# Altium PCB PCB_V1.PcbDoc (part 1 of 2)
Units mil, origin at the board's own origin, x right, y up, seen from the top; angles counter-clockwise.
Board outline 3937.01 x 3937.01 mil, 2 copper layers (Top Layer, Bottom Layer); 119 components, 91 nets, 341 pads, 89 vias.
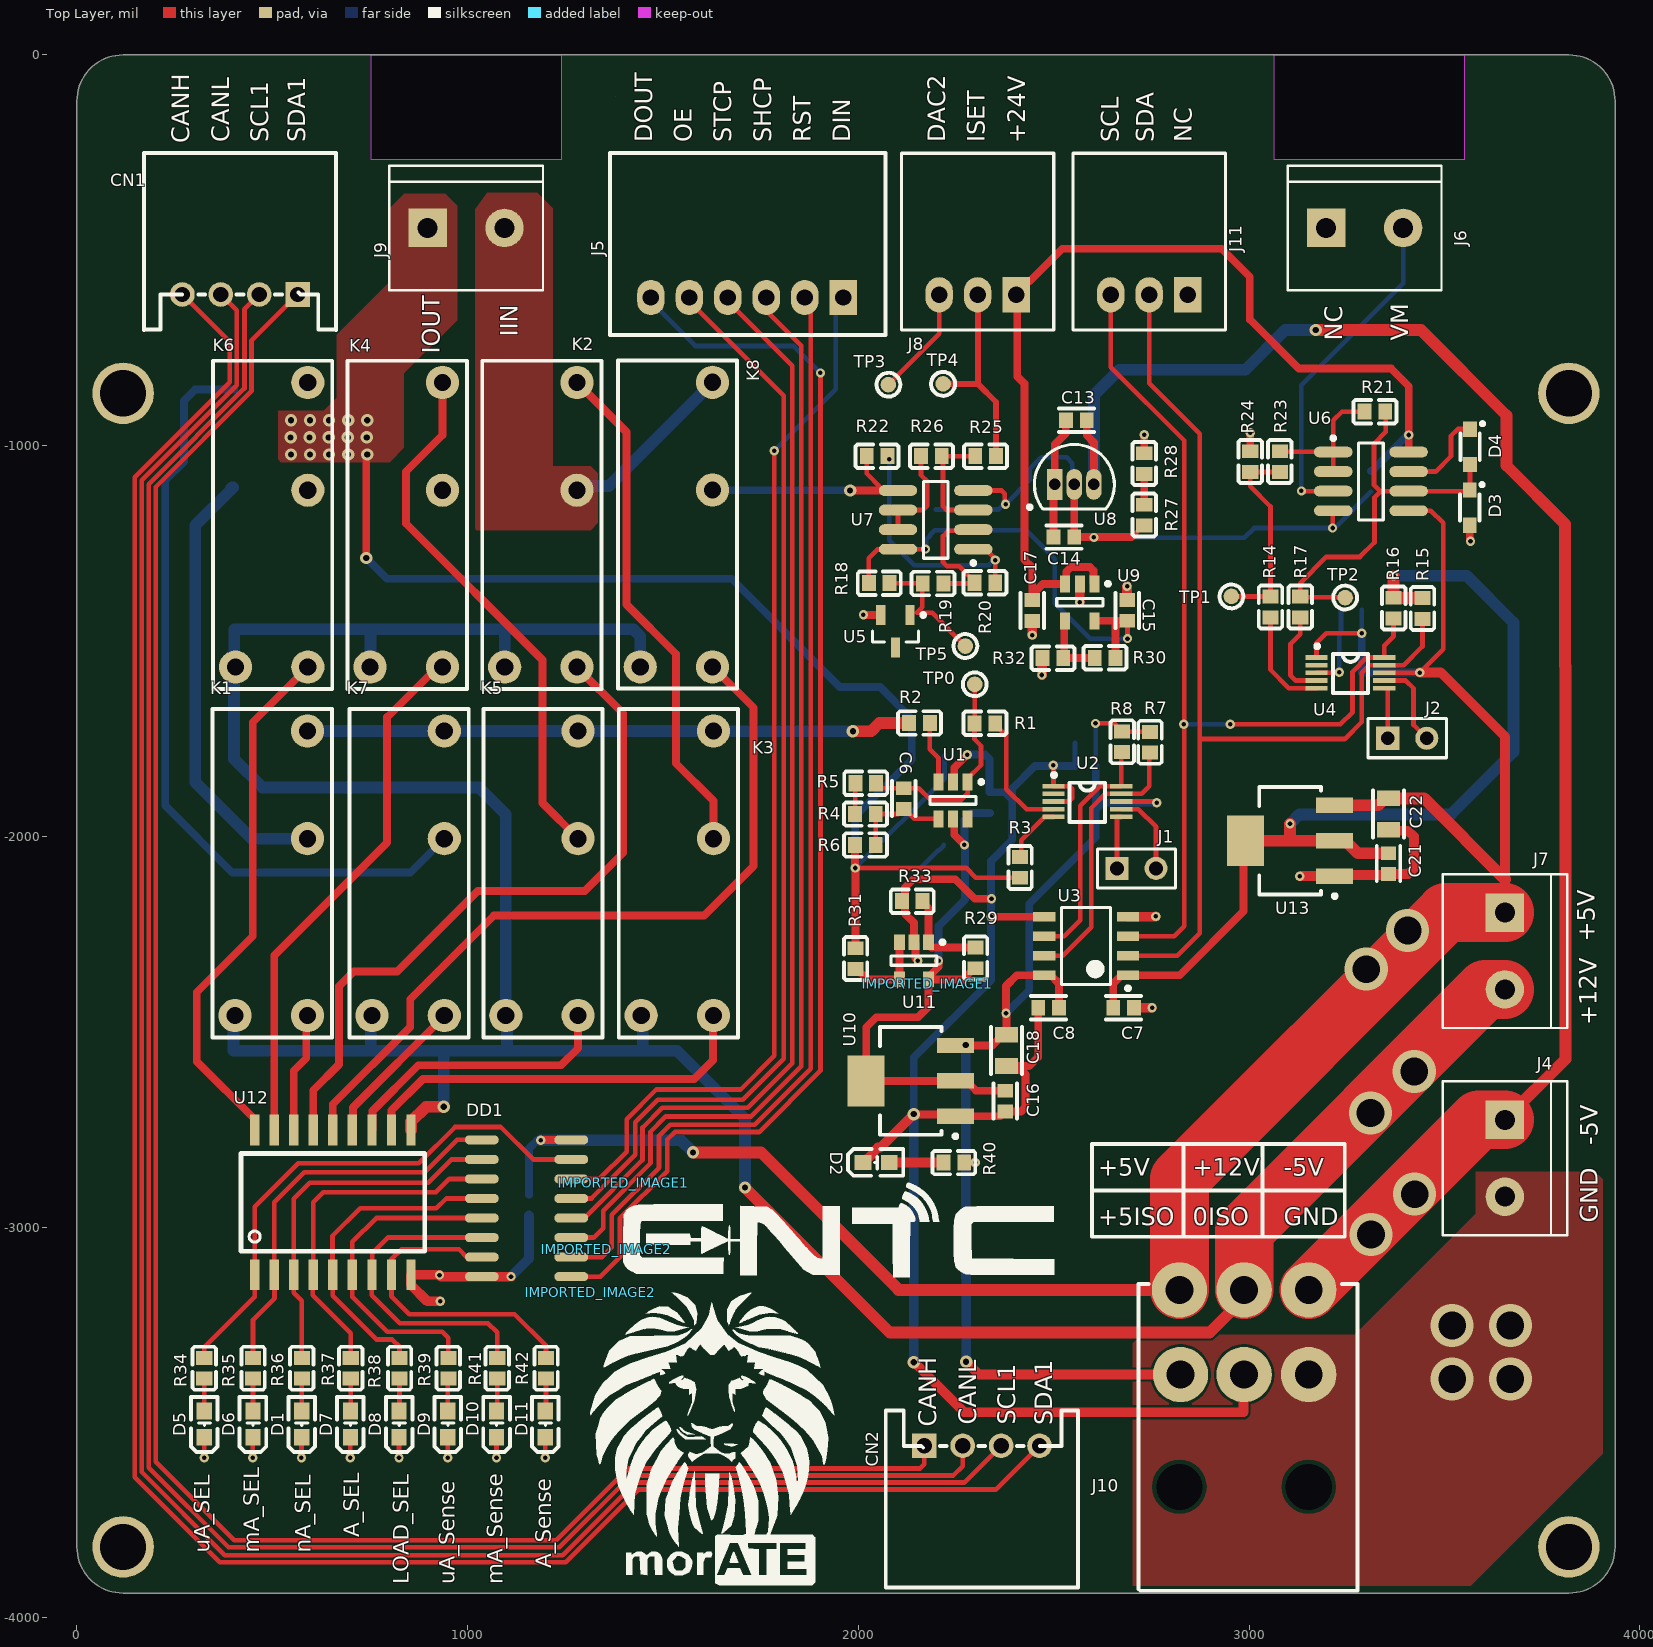
[diagram p0: Top Layer view]
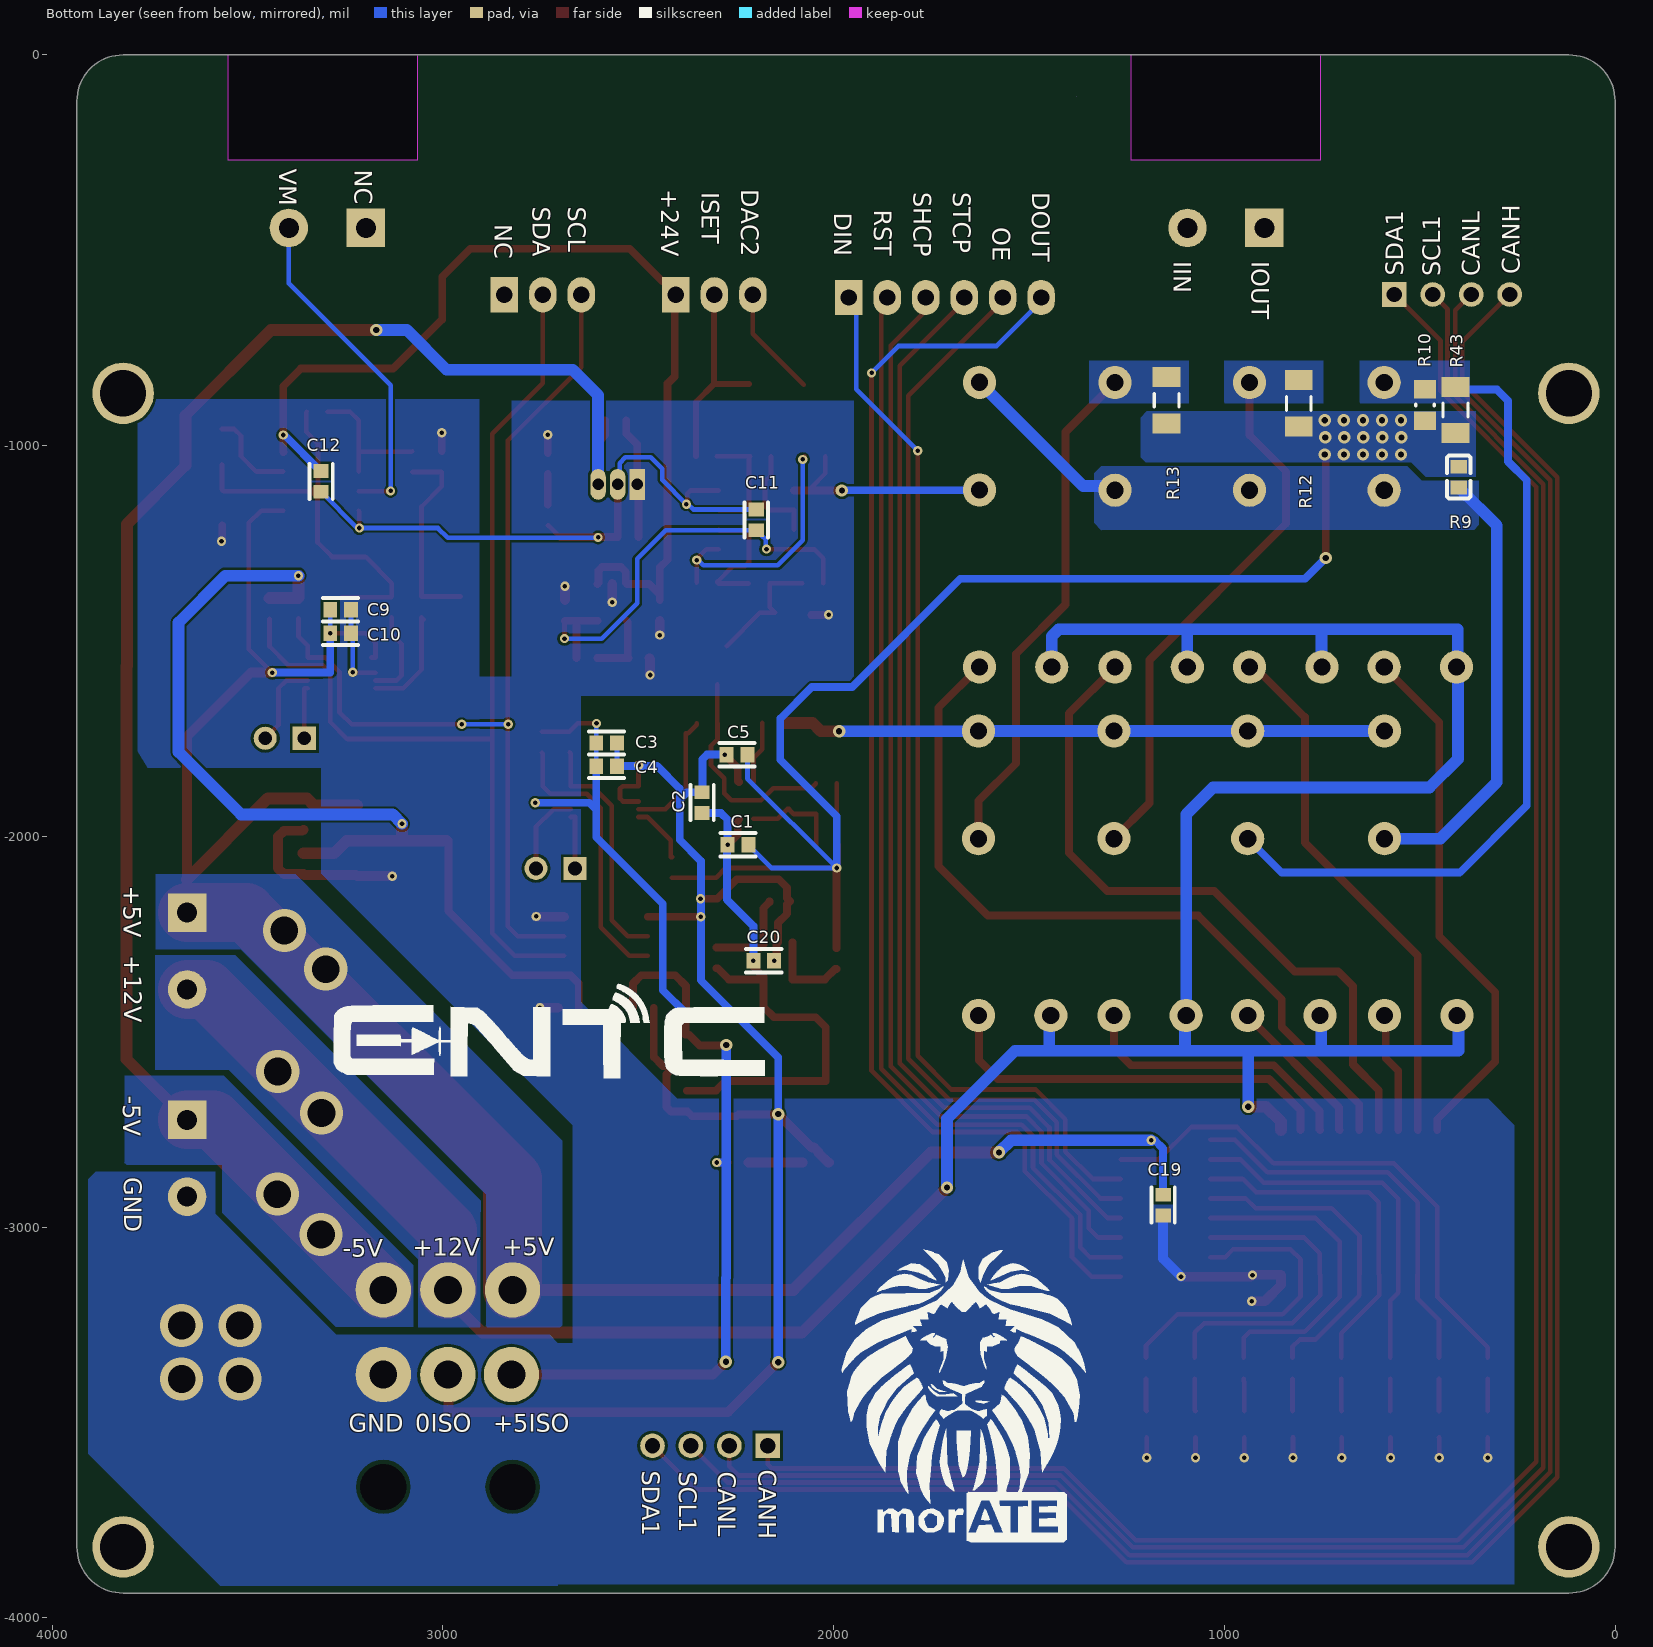
[diagram p1: Bottom Layer view, seen from below]

## Layer stack, top to bottom
Top Solder: solder mask 0.4, Solder Resist, Dk 3.5
Top Layer: signal copper 1.4
Dielectric 1: dielectric 12.6, FR-4, Dk 4.8
Bottom Layer: signal copper 1.4
Bottom Solder: solder mask 0.4, Solder Resist, Dk 3.5

## Board outline
0,-3818.9 0,-118.11 cw(c118.11,-118.11) 118.11,0 3818.9,0 cw(c3818.9,-118.11) 3937.01,-118.11 3937.01,-3818.9 cw(c3818.9,-3818.9) 3818.9,-3937.01 118.11,-3937.01 cw(c118.11,-3818.9)
cut-out: 3065,0 3551,0 3551,-269 3065,-269
cut-out: 1377.95,-106.3
cut-out: 754,0 1240,0 1240,-269 754,-269

## Design rules (kind name [scope] priority, off if disabled: settings)
BoardOutlineClearance [All] p1: gap=7.87 ignorepadtopadclearanceinfootprint=FALSE
Clearance [All] p1: gap=6 ignorepadtopadclearanceinfootprint=FALSE except(5: Arc-Text Track-Text SMDPad-Text THPad-Text Via-Text Fill-Text Poly-Text Region-Text Text-Text; 7: Arc-THPad Track-THPad SMDPad-THPad THPad-THPad THPad-Via THPad-Fill THPad-Poly THPad-Region; 9.84: Arc-Hole Track-Hole SMDPad-Hole Via-Hole Fill-Hole Poly-Hole Region-Hole Text-Hole; 10: Fill-Fill Fill-Poly Fill-Region Poly-Poly Poly-Region Region-Region; 12.99: THPad-Hole)
ComponentClearance [All] p1: gap=0 collisioncheckmode=3 verticalgap=5 showdistances=TRUE
DiffPairsRouting [All] p1: maxlimit=10 minlimit=5 mostfreqgap=5 toplayer_minwidth=5 toplayer_maxwidth=1000 toplayer_prefwidth=5 bottomlayer_minwidth=5 bottomlayer_maxwidth=1000 bottomlayer_prefwidth=5 maxuncoupledlength=500
Height [All] p1: minheight=0 maxheight=71497.94 prefheight=500
HoleSize [All] p1: absolutevalues=TRUE maxlimit=248.03 minlimit=11.81 maxpercent=80.000 minpercent=20.000
HoleToHoleClearance [All] p1: gap=9.84 allowstackedmicrovias=FALSE
MinimumAnnularRing [All] p1: minimumring=5.12
MinimumSolderMaskSliver [All] p1: minsoldermaskwidth=0
PlaneClearance [All] p1: clearance=5
PlaneConnect PlaneConnectPowerPads [InPadClass('PowerPads')] p1: planeconnectstyle=Direct reliefexpansion=20 reliefentries=4 reliefconductorwidth=10 reliefairgap=10
PlaneConnect [All] p2: pad.planeconnectstyle=Relief pad.reliefexpansion=11.81 pad.reliefentries=4 pad.reliefconductorwidth=5 pad.reliefairgap=5 via.planeconnectstyle=Direct via.reliefexpansion=11.81 via.reliefentries=4 via.reliefconductorwidth=5 via.reliefairgap=5
PolygonConnect PolygonConnectPowerPads [All vs (InPadClass('PowerPads'))] p1: connectstyle=Direct reliefconductorwidth=10 reliefentries=4 polygonreliefangle="90 Angle" airgapwidth=10
PolygonConnect [All] p2: connectstyle=Direct reliefconductorwidth=5 reliefentries=4 polygonreliefangle="90 Angle" airgapwidth=5
RoutingVias [All] p1: holewidth=11.81 width=23.62 viastyle="Through Hole" minholewidth=11.81 minwidth=23.62 maxholewidth=23.62 maxwidth=259.84
SilkToSilkClearance [All] p1: silktosilkclearance=0
SilkToSolderMaskClearance [IsPad] p1: minsilkscreentomaskgap=5 clearancetoexposedcopper=TRUE
SolderMaskExpansion [All] p1: expansion=2.95
Width [All] p1: maxlimit=1000 minlimit=5 preferedwidth=10 minimp=50.000000 maximp=50.000000 favimp=50.000000
20 further rules are at their usual default settings.

## Classes and differential pairs
component class Current_sence-load-volt_meter: C1 C2 C3 C4 C5 C6 C7 C8 C9 C10 C11 C12 C13 C14 C15 C16 C17 C18 C19 C20 C21 C22 CN1 CN2 D1 D2 D3 D4 D5 D6 D7 D8 D9 D10 D11 DD1 J1 J2 J4 J5 J6 J7 J8 J9 J10 J11 K1 K2 K3 K4 K5 K6 K7 K8 R1 R2 R3 R4 R5 R6 R7 R8 R9 R10 R12 R13 R14 R15 R16 R17 R18 R19 R20 R21 R22 R23 R24 R25 R26 R27 R28 R29 R30 R31 R32 R33 R34 R35 R36 R37 R38 R39 R40 R41 R42 U1 U2 U3 U4 U5 U6 U7 U8 U9 U10 U11 U12 U13

## Components (designator, comment, footprint, x,y, rotation, side; value= is the part's Value field where it differs from the comment)
C1 "100nF" CAPC1608X09N 2245,-2022 r180 bottom
C2 "100nF" CAPC1608X09N 2337,-1914 r270 bottom
C3 "4.7uF" CAPC1608X09N 2581,-1761.25 r180 bottom
C4 "100nF" CAPC1608X09N 2581,-1820.25 r180 bottom
C5 "100nF" CAPC1608X09N 2247.43,-1791 r180 bottom
C6 "20pF" CAPC1608X09N 2116.43,-1903.63 r270 top
C7 "100nF" CAPC1608X09N 2679,-2439 r180 top
C8 "100nF" CAPC1608X09N 2487,-2439 r0 top
C9 "4.7uF" CAPC1608X09N 3262,-1420 r180 bottom
C10 "100nF" CAPC1608X09N 3262,-1480 r180 bottom
C11 "100nF" CAPC1608X09N 2198,-1190 r270 bottom
C12 "100nF" CAPC1608X09N 3312.12,-1091.47 r90 bottom
C13 "1uF" CAPC1608X09N 2558,-935 r0 top
C14 "4.7uF" CAPC1608X09N 2526,-1234 r0 top
C15 "4.7uF" CAPC1608X09N 2688,-1421.84 r270 top
C16 "22uF" CAPC1608X09N 2376.32,-2678 r90 top
C17 "1uF" CAPC1608X09N 2445,-1422 r90 top
C18 "10uF" C0805 2379.32,-2548 r90 top
C19 "100nF" CAPC1608X09N 1157,-2944 r90 bottom
C20 "100nF" CAPC1608X09N 2179.02,-2318.24 r180 bottom
C21 "22uF" CAPC1608X09N 3357,-2070 r90 top
C22 "10uF" C0805 3357,-1943 r90 top
CN1 "S4B-XH-A (LF)(SN)" "CONN-TH_S4B-XH-A (LF)(SN)" 417.63,-613.2 r0 top
CN2 "S4B-XH-A (LF)(SN)" "CONN-TH_S4B-XH-A (LF)(SN)" 2316.22,-3560 r180 top
D1 "Green LED 0603" 0603LED_GEN 575.3,-3538 r90 top
D2 "Red LED 0603" 0603LED_GEN 2012,-2834.75 r0 top
D3 "CUS08F30,H3F" PCB-7qpkjsjx5cjbarp1o0hc-1 3565,-1159 r270 top
D4 "CUS08F30,H3F" PCB-7qpkjsjx5cjbarp1o0hc-1 3566,-1003 r270 top
D5 "Green LED 0603" 0603LED_GEN 325.9,-3538 r90 top
D6 "Green LED 0603" 0603LED_GEN 450.6,-3538 r90 top
D7 "Green LED 0603" 0603LED_GEN 700,-3538 r90 top
D8 "Green LED 0603" 0603LED_GEN 824.7,-3538 r90 top
D9 "Green LED 0603" 0603LED_GEN 949.4,-3538 r90 top
D10 "Green LED 0603" 0603LED_GEN 1074.1,-3538 r90 top
D11 "Green LED 0603" 0603LED_GEN 1198.8,-3538 r90 top
DD1 "SN74HC595D" PCB-72k1vk0k27b6qyyenbg0-1 1151,-2952 r0 top
IMPORTED_IMAGE1 "Comment" IMPORTED_IMAGE 2176,-2378 r0 top
IMPORTED_IMAGE1 "Comment" IMPORTED_IMAGE 1398,-2887 r0 top
IMPORTED_IMAGE2 "Comment" IMPORTED_IMAGE 1354.99,-3057.28 r0 top (schematic designator IMPORTED_IMAGE)
IMPORTED_IMAGE2 "Comment" IMPORTED_IMAGE 1313.32,-3166.71 r0 top (schematic designator IMPORTED_IMAGE)
J1 "header 2x1" PCB-55llon6gpk2h6a06nz0l-1 2662,-2082 r0 top
J2 "header 2x1" PCB-55llon6gpk2h6a06nz0l-1 3355,-1749 r0 top
J4 "DB126V-5.0-2P-GN" PCB-kiok1jlp9o9fcwf1wwvf-1 3655,-2824 r90 top locked
J5 "JST S6B-XH-A" "JST S6B-XH-A" 2294.15,-694 r0 top
J6 "DB126V-5.0-2P-GN" PCB-kiok1jlp9o9fcwf1wwvf-1 3296,-443 r180 top
J7 "DB126V-5.0-2P-GN" PCB-kiok1jlp9o9fcwf1wwvf-1 3655,-2293.57 r90 top locked
J8 "CN-1P-M-R3" JST-S3B-XH-A(LF)(SN)_V 2305.43,-614 r0 top
J9 "DB126V-5.0-2P-GN" PCB-kiok1jlp9o9fcwf1wwvf-1 996,-443 r180 top locked
J10 "ATX Connector-2x3" 30300060 2982.35,-3381.06 r180 top locked
J11 "CN-1P-M-R3" JST-S3B-XH-A(LF)(SN)_V 2744.43,-614 r0 top
K1 "3A Relay" PCB-ei6nokn2irsc2a7yt94x-1 497.45,-2094.64 r90 top locked
K2 "5A Relay" PCB-ei6nokn2irsc2a7yt94x-1 1187.47,-1202.8 r90 top
K3 "3A Relay" PCB-ei6nokn2irsc2a7yt94x-1 1536.82,-2094.64 r90 top locked
K4 "3A Relay" PCB-ei6nokn2irsc2a7yt94x-1 842.98,-1202.8 r90 top
K5 "3A Relay" PCB-ei6nokn2irsc2a7yt94x-1 1190.36,-2094.64 r90 top locked
K6 "3A Relay" PCB-ei6nokn2irsc2a7yt94x-1 498.49,-1202.8 r90 top locked
K7 "3A Relay" PCB-ei6nokn2irsc2a7yt94x-1 847.84,-2094.64 r90 top locked
K8 "3A Relay" PCB-ei6nokn2irsc2a7yt94x-1 1534.48,-1202.17 r90 top locked
R1 "100" gen0603-2 2324,-1711 r180 top
R2 "100" gen0603-2 2156.57,-1710 r180 top
R3 "100" gen0603-2 2414,-2079.43 r270 top
R4 "24k" gen0603-2 2018,-1943 r0 top
R5 "75k" gen0603-2 2018.98,-1864.26 r180 top
R6 "1k" gen0603-2 2018,-2022.25 r0 top
R7 "4.7k" gen0603-2 2746.56,-1759.32 r270 top
R8 "4.7k" gen0603-2 2675.3,-1758 r270 top
R9 "10k" gen0603-2 400.06,-1080.75 r270 bottom
R10 "20" PCB-p5gaxfzqzpvl2g018b4o-1 486.62,-896.14 r90 bottom
R12 "0.01" RESC3116X07M 809.51,-891.77 r90 bottom
R13 "0.001" RESC3116X07M 1148.1,-883.9 r90 bottom
R14 "100" gen0603-2 3055,-1413 r90 top
R15 "4.7k" gen0603-2 3444,-1417 r270 top
R16 "4.7k" gen0603-2 3370,-1416 r270 top
R17 "100" gen0603-2 3131,-1413 r90 top
R18 "10k" gen0603-2 2053.57,-1352 r180 top
R19 "51k" gen0603-2 2191.57,-1353 r0 top
R20 "51k" gen0603-2 2324,-1351 r0 top
R21 "4.7k" gen0603-2 3322,-913 r180 top
R22 "1k" gen0603-2 2048,-1027 r0 top
R23 "39.2k" gen0603-2 3079,-1041 r90 top
R24 "10k" gen0603-2 3003,-1041 r270 top
R25 "51k" gen0603-2 2326,-1027 r180 top
R26 "51k" gen0603-2 2187,-1027 r180 top
R27 "100" gen0603-2 2732,-1178 r90 top
R28 "100" gen0603-2 2732,-1046 r90 top
R29 "42k" gen0603-2 2300,-2311 r270 top
R30 "42k" gen0603-2 2631.57,-1543.37 r0 top
R31 "100" gen0603-2 1993,-2313 r270 top
R32 "10k" gen0603-2 2498,-1544 r180 top
R33 "42k" gen0603-2 2138,-2166 r0 top
R34 "4.7k" gen0603-2 325.9,-3361.5 r270 top
R35 "4.7k" gen0603-2 450.89,-3361.5 r270 top
R36 "4.7k" gen0603-2 575.87,-3361.5 r270 top
R37 "4.7k" gen0603-2 700.86,-3361.5 r270 top
R38 "4.7k" gen0603-2 825.84,-3361.5 r270 top
R39 "4.7k" gen0603-2 950.83,-3361.5 r270 top
R40 "4.7k" gen0603-2 2244.43,-2835 r0 top
R41 "4.7k" gen0603-2 1075.81,-3361.5 r270 top
R42 "4.7k" gen0603-2 1200.8,-3361.5 r270 top
R43 "0.01" RESC3116X07M 408.51,-908.77 r90 bottom (schematic designator R12)
TP0 "Comment" PCB-76sf9akqozhr8i1vmz2c-1 2298,-1611 r0 top
TP1 "Comment" PCB-76sf9akqozhr8i1vmz2c-1 2955,-1386 r0 top
TP2 "Comment" PCB-76sf9akqozhr8i1vmz2c-1 3246,-1389 r0 top
TP3 "Comment" PCB-76sf9akqozhr8i1vmz2c-1 2077,-844 r0 top
TP4 "Comment" PCB-76sf9akqozhr8i1vmz2c-1 2217,-842 r0 top
TP5 "Comment" PCB-76sf9akqozhr8i1vmz2c-1 2274,-1513 r0 top
U1 "MAX4239AUT+T" MF06A_N 2242.57,-1908.09 r270 top
U2 "TI-ADS1015_1115-10" PCB-GQBSLBS1R8RXLDSN6T09-1 2586,-1913 r0 top
U3 "ISO154x" SOIC127P600X265-8N 2583,-2280.68 r180 top
U4 "TI-ADS1015_1115-10" PCB-GQBSLBS1R8RXLDSN6T09-1 3259.57,-1583.59 r0 top
U5 "LM4040-2.5" MF03A_N 2095,-1475 r270 top
U6 "TLV2172IDR" SOIC-OA8_M 3312.12,-1091.47 r0 top
U7 "LM358DT" SOIC-OA8_M 2198,-1190 r180 top
U8 "LM337L" Z03A 2553,-1099.31 r270 top
U9 "Diodes Inc. AP2204K-5.0TRG1" PCB-iw3p7s72x6qbi5zew47f-1 2567,-1401.16 r270 top
U10 "Diodes AZ1117CH-3.3TRG1" PCB-15095235-1 2134.32,-2626 r180 top
U11 "LMV321SN3T1G" ONSC-TSOP-5-483-02_V 2142.6,-2318.24 r270 top
U12 "ULN2803A (SOIC-18)" PCB-gcdku7p92m9mz9ih2yin-1 630,-2937 r90 top
U13 "Diodes AZ1117CH-3.3TRG1" PCB-15095235-1 3105,-2011.31 r180 top

## Footprints (in the part's own frame and the unit in brackets; to place one, negate y for a bottom-side part, rotate by r counter-clockwise, add the part's x,y. Pads: shape width x height; smd on the part's side, far side on the other; paste and mask are expansions set on the pad)
0603LED_GEN [mil] "genaric LED 0603"
  rect 43x39 smd: 1(67,0) 2(0,0)
  silkscreen extent -38,-34 103,34, body extent 6,-16 68,16, height 43
30300060 [mm] "Connector Header Through Hole, Right Angle 6 position 0.165\" (4.20mm)"
  round 3.6 hole 1.8: 1(4.004,-0.088) 2(-0.127,-0.088) 3(-4.327,-0.088) 4(-4.327,-5.588) 5(-0.127,-5.588) 6(4.073,-5.588)
  round 1.524 hole 3: Hole(-4.327,7.212) Hole(4.073,7.212)
  silkscreen extent -7.49,-5.97 6.73,13.97, body extent -7.43,-6.04 6.77,13.9, height 11.4
C0805 [mil]
  rect 40x58 smd: 1(-40,0) 2(40,0)
  silkscreen extent -60,-40 60,40, body extent -41,-27 41,27, height 53
CAPC1608X09N [mm]
  rect 0.9x1 smd: 1(-0.675,0) 2(0.675,0)
  silkscreen extent -1.14,-0.76 1.14,0.76, body extent -0.8,-0.4 0.8,0.4, height 0.45
"CONN-TH_S4B-XH-A (LF)(SN)" [mm]
  rect 1.6x1.6 hole 1: 1(3.75,0)
  round 1.6 hole 1: 2(1.25,0) 3(-1.25,0) 4(-3.75,0)
  silkscreen extent -6.25,-2.3 6.25,9.2, body extent -6.22,-2.32 6.18,9.18, height 6.1
gen0603-2 [mm]
  rect 0.9x1.05 smd: 1(-0.675,0) 2(0.675,0)
  silkscreen extent -1.4,-0.76 1.4,0.76, body extent -0.85,-0.4 0.85,0.4, height 0.59
IMPORTED_IMAGE [mil]
"JST S6B-XH-A" [mil]
  rect 70x90 hole 42: 1(-332.87,73)
  oval 70x90 hole 42: 2(-431.3,73) 3(-529.72,73) 4(-628.15,73) 5(-726.57,73) 6(-825,73)
  silkscreen extent -930,-23 -225,443, body extent -920,-17 -235,436, height 242
JST-S3B-XH-A(LF)(SN)_V [mil]
  rect 70x90 hole 42: 1(98.43,0)
  oval 70x90 hole 42: 2(0,0) 3(-98.43,0)
  silkscreen extent -195,-91 195,362, body extent -195,-91 195,362, height 242
MF03A_N [mm]
  rect 1.3x0.6 smd: 1(-1.05,0.95) 2(-1.05,-0.95) 3(1.05,0)
  silkscreen extent -1.17,-1.5 0.7,1.93, body extent -0.7,-1.52 0.7,1.52, height 1.12
MF06A_N [mm]
  rect 1.1x0.65 smd: 1(-1.2,0.95) 2(-1.2,0) 3(-1.2,-0.95) 4(1.2,-0.95) 5(1.2,0) 6(1.2,0.95)
  silkscreen extent -1.32,-1.5 0.25,1.95, body extent -0.83,-1.49 0.83,1.5, height 1.22
ONSC-TSOP-5-483-02_V [mm]
  rect 1x0.7 smd: 1(-1.2,0.95) 2(-1.2,0) 3(-1.2,-0.95) 4(1.2,-0.95) 5(1.2,0.95)
  silkscreen extent -1.32,-1.5 0.3,1.98, body extent -0.75,-1.5 0.75,1.5, height 1.1
PCB-7qpkjsjx5cjbarp1o0hc-1 [mm]
  rect 1x0.9 smd: 1(-1.15,0) 2(1.15,0)
  silkscreen extent -1.6,-0.63 0.85,0.9, body extent -1.3,-0.67 1.3,0.68, height 1.1
PCB-55llon6gpk2h6a06nz0l-1 [mm]
  rect 1.5x1.5 hole 0.9: 1(0,0)
  round 1.5 hole 0.9: 2(2.54,0)
  silkscreen extent -1.27,-1.27 3.81,1.27, body extent -1.27,-1.25 3.81,1.25, height 9.25
PCB-72k1vk0k27b6qyyenbg0-1 [mm]
  oval 2.2x0.6 smd: 1(-2.908,4.445) 2(-2.908,3.175) 3(-2.908,1.905) 4(-2.908,0.635) 5(-2.908,-0.635) 6(-2.908,-1.905) 7(-2.908,-3.175) 8(-2.908,-4.445) 9(2.908,-4.445) 10(2.908,-3.175) 11(2.908,-1.905) 12(2.908,-0.635) 13(2.908,0.635) 14(2.908,1.905) 15(2.908,3.175) 16(2.908,4.445)
  body extent -3,-4.95 3,4.95, height 1.4
PCB-76sf9akqozhr8i1vmz2c-1 [mil]
  round 40 smd: 1(0,0)
  silkscreen extent -30,-30 30,30
PCB-15095235-1 [mm]
  rect 2.4x1 smd: 1(-2.9,2.3) 2(-2.9,0) 3(-2.9,-2.3)
  rect 2.4x3.3 smd: 4(2.9,0)
  silkscreen extent -3.03,-3.5 2,3.72, body extent -1.86,-3.35 1.86,3.35, height 1.8
PCB-ei6nokn2irsc2a7yt94x-1 [mil]
  round 85 hole 44: 1(-364.17,-92.52) 2(88.58,-92.52) 3(364.17,-92.52) 4(-364.17,92.52)
  silkscreen extent -420,-155 420,150, body extent -409,-143 399,140, height 602
PCB-gcdku7p92m9mz9ih2yin-1 [mm]
  rect 2x0.6 smd: 1(-4.7,4.445) 2(-4.7,3.175) 3(-4.7,1.905) 4(-4.7,0.635) 5(-4.7,-0.635) 6(-4.7,-1.905) 7(-4.7,-3.175) 8(-4.7,-4.445) 9(-4.7,-5.715) 10(4.7,-5.715) 11(4.7,-4.445) 12(4.7,-3.175) 13(4.7,-1.905) 14(4.7,-0.635) 15(4.7,0.635) 16(4.7,1.905) 17(4.7,3.175) 18(4.7,4.445)
  round 0.508 on Top Overlay: M1(-4.7,5.715)
  silkscreen extent -3.18,-6.6 3.18,5.33, body extent -5.28,-6.52 5.32,5.23, height 2.6
PCB-GQBSLBS1R8RXLDSN6T09-1 [mm]
  rect 1.45x0.3 smd: 1(-2.2,1.05) 2(-2.2,0.55) 3(-2.2,0.05) 4(-2.2,-0.45) 5(-2.2,-0.95) 6(2.2,-0.95) 7(2.2,-0.45) 8(2.2,0.05) 9(2.2,0.55) 10(2.2,1.05)
  silkscreen extent -2.29,-1.27 1.14,1.9, body extent -2.53,-1.5 2.53,1.5, height 1.23
PCB-iw3p7s72x6qbi5zew47f-1 [mm]
  rect 1.1x0.65 smd: 1(-1.2,0.95) 2(-1.2,0) 3(-1.2,-0.95) 4(1.2,-0.95) 5(1.2,0.95)
  silkscreen extent -1.32,-1.5 0.25,1.95, body extent -0.87,-1.5 0.88,1.5, height 1.45
PCB-kiok1jlp9o9fcwf1wwvf-1 [mm]
  round 2.5 hole 1.3: 1(-2.5,0)
  rect 2.5x2.5 hole 1.3: 2(2.5,0)
  silkscreen extent -5,-4.05 5,4.05, body extent -5.57,-4.08 5,4.07, height 10
PCB-p5gaxfzqzpvl2g018b4o-1 [mm]
  rect 1.2x1.4 smd: 1(-1.025,0) 2(1.025,0)
  silkscreen extent -0.05,-0.6 0.05,0.6, body extent -1.15,-0.67 1.15,0.68, height 0.76
RESC3116X07M [mm]
  rect 1.3x1.8 smd: 1(-1.5,0) 2(1.5,0)
  silkscreen extent -0.45,-0.8 0.45,0.8, body extent -1.55,-0.8 1.55,0.8, height 0.52
SOIC127P600X265-8N [mm]
  rect 1.45x0.6 smd: 1(-2.725,1.905) 2(-2.725,0.635) 3(-2.725,-0.635) 4(-2.725,-1.905) 5(2.725,-1.905) 6(2.725,-0.635) 7(2.725,0.635) 8(2.725,1.905)
  silkscreen extent -2.85,-2.5 1.6,2.88, body extent -2,-2.5 2,2.5, height 2.65
SOIC-OA8_M [mm]
  oval 2.5x0.7 smd: 1(-2.45,1.905) 2(-2.45,0.635) 3(-2.45,-0.635) 4(-2.45,-1.905) 5(2.45,-1.905) 6(2.45,-0.635) 7(2.45,0.635) 8(2.45,1.905)
  silkscreen extent -2.57,-2.5 0.8,2.93, body extent -3,-2.45 3,2.45, height 1.75
Z03A [mm]
  rect 2x1 hole 0.75: 1(0,-1.27)
  oval 2x1 hole 0.75: 2(0,0) 3(0,1.27)
  silkscreen extent -2.6,-3.02 1.6,2.6, body extent -2.6,-2.61 1.6,2.61, height 5.2

## Part data
C1 C2 C4 C5 C7 C8 C10 C11 C12 C19 C20: library part CMP-2f55e5122ad9f092-5, "0603 10 nF 50 V ± 10% Tolerance X7R Surface Mount Multilayer Ceramic Capacitor", Capacitance Tolerance=10%, Manufacture Part Number=CC0603KRX7R9BB104, Manufacturer=YAGEO, Package / Case=0603, Supplier Part Number=C14663, Voltage-Rated=50V, Capacitance=100nF, Supplier=LCSC
C3 C9 C14 C15: library part CMP-2f55e5122ad9f092-5, "0603 10 nF 50 V ± 10% Tolerance X7R Surface Mount Multilayer Ceramic Capacitor", Capacitance Tolerance=10%, Manufacture Part Number=CL10A475KP8NNNC, Manufacturer="Samsung Electro-Mechanics", Package / Case=0603, Supplier Part Number=C1705, Voltage-Rated=10V, Capacitance=4.7uF, Supplier=LCSC
C6: library part CMP-2f55e5122ad9f092-5, "0603 10 nF 50 V ± 10% Tolerance X7R Surface Mount Multilayer Ceramic Capacitor", Capacitance Tolerance=5%, Manufacture Part Number=CC0603JRNPO9BN200, Manufacturer=YAGEO, Package / Case=0603, Supplier Part Number=C105621, Voltage-Rated=50V, Capacitance=20pF, Supplier=LCSC
C13 C17: library part CMP-2f55e5122ad9f092-5, "0603 10 nF 50 V ± 10% Tolerance X7R Surface Mount Multilayer Ceramic Capacitor", Capacitance Tolerance=10%, Manufacture Part Number=CL21B105KBFNNNE, Manufacturer="Samsung Electro-Mechanics", Package / Case=0603, Supplier Part Number=C28323, Voltage-Rated=50V, Capacitance=1uF, Supplier=LCSC
C16 C21: library part CMP-2f55e5122ad9f092-5, "0603 10 nF 50 V ± 10% Tolerance X7R Surface Mount Multilayer Ceramic Capacitor", Capacitance Tolerance=20%, Manufacture Part Number=CL10A226MP8NUNE, Manufacturer="Samsung Electro-Mechanics", Package / Case=0603, Supplier Part Number=C86295, Voltage-Rated=10V, Capacitance=22uF, Supplier=LCSC
C18 C22: library part CMP-135114-3, "Cap Ceramic 0.1uF 50V X7R 10% SMD 0805 125C Embossed T/R", Manufacture Part Number=CL21B106KOQNNNE, Manufacturer="Samsung Electro-Mechanics", Package / Case=0805, Supplier Part Number=C95841, Voltage-Rated=16V, Capacitance=10uF, Supplier=LCSC
CN1 CN2: BOM_Manufacturer="JST Sales America", BOM_Manufacturer Part=-, BOM_Supplier=LCSC, BOM_Supplier Part=C157925, Contributor=LCSC, spicePre=C, spiceSymbolName="S4B-XH-A (LF)(SN)"
D1 D5 D6 D7 D8 D9 D10 D11: library part CMP-7ejgl1mi36gtz3spabtw-1, "Generic LED 0603", Color=Green, Forward Voltage=2.8V, Manufacture Part Number=ORH-G36G, Manufacturer=Orient, Supplier Part Number=C205443, Supplier=LCSC
D2: library part CMP-7ejgl1mi36gtz3spabtw-1, "Generic LED 0603", Color=Red, Forward Voltage=2V, Manufacture Part Number=19-217/R6C-AL1M2VY/3T, Manufacturer="Everlight Elec", Supplier Part Number=C72044, Supplier=LCSC
D3 D4: library part CMP-df191521a52000de-2, "Diode Schottky 30V 2-Pin SOD-323", Manufacturer=TOSHIBA, Supplier Part Number=C150183, Manufacture Part Number=CUS08F30,H3F, OctopartID=df191521a52000de, Octopart URL=http://octopart.com/cus08f30%2Ch3f-toshiba-53632863, Supplier=LCSC
DD1: library part CMP-ded317d957220114-5, "Shift Register Single 8-Bit Serial to Serial/Parallel 16-Pin SOIC Tube", Manufacture Part Number=74HC595D,118, Manufacturer=Nexperia, Package / Case=SOIC-16_150mil, Supplier Part Number=C5947, Supplier=LCSC
J1 J2: library part "Molex 90120-0762-11", "2.54mm (.100\") Pitch C-Grid III? Header, Single Row, Vertical, 1 Circuits, Gold (Au) Plating", Contact Resistance="0.02 ?", Current Rating="3.0 A", Housing Color=Black, Insulation Resistance="5000000000.0 ?", Voltage Rating (AC)="350.0 V", Contact Material=Brass, Contact Plating=Gold, Gender=Male, Glow Wire Compliant=Non-Compliant, Halogen Free Status="Not Reviewed", Housing Material=Plastic, Lead-Free Status="Lead Free", Lifecycle Status="Not Listed by Manufacturer", Mounting Style="Through Hole, Vertical", Number of Circuits=1, Number of Contacts=2, Number of Positions=2, Number of Rows=1, OctopartID=8fae46aeaafe5069, Octopart URL=http://octopart.com/90120-0762-molex-655414, Orientation=Vertical, Packaging=Bag, Pin pitch="0.00254 m", RoHS=Compliant, Size-Height="0.0025 m", Size-Length="0.00508 m", Size-Width="0.00254 m", Voltage Rating (DC)="350.0 V"
J4 J6 J7 J9: library part CMP-7ad9b3d37ed8a51e-5, "Block, Terminal; 13.5 A; 250 V; 5 mm; 26 to 16 AWG; 2; Screw; Solder; 4 kV; PA", Manufacturer=DIBO, Supplier Part Number=C395849, Manufacture Part Number=DB126V-5.0-2P-GN, Pin pitch=5.0mm, Supplier=LCSC
J5: library part CMP-239aeae271c2fc5d-12, "Socket; wire-board; male; PIN: 6; 2.5mm; THT; XH; 250V; 3A; -25÷85°C", Manufacture Part Number=S6B-XH-A(LF)(SN), Manufacturer="JST Sales America", Supplier Part Number=C157919, Voltage Rating (AC)="250 V", Lead-Free Status="Lead Free", Orientation="Right Angle", Supplier=LCSC
J8 J11: library part CMP-656568-19, "Male Header, Pitch 2.5 mm, 1 x 3 Position, Height 6.1 mm, Tail Length 3.4 mm, -25 to 85 degC, RoHS, Bulk", Current Rating="3.00 A", Insulation Resistance="1.00 GO", Manufacture Part Number=S3B-XH-A(LF)(SN), Manufacturer="JST Sales America", Supplier Part Number=C157928, Gender=Male, Lead-Free Status="Lead Free", Mounting Style="Through Hole", Number of Contacts=3, PackageDescription="Male Header, Pitch 2.5 mm, 1 x 3 Position, Height 6.1 mm, Tail Length 3.4 mm", PackageReference=S3B-XH-A(LF)(SN), RoHS=Compliant, Supplier=LCSC
J10: library part 39600060, "Connector Header Through Hole, Right Angle 6 position 0.165\" (4.20mm)", Manufacture Part Number=5557-2*3AW, Manufacturer="BOOMELE(Boom Precision Elec)", Supplier Part Number=C54904, Pin pitch=4.2mm, Supplier=LCSC
K1 K3 K4 K5 K6 K7 K8: library part CMP-edc624afa9603201-3, "Power Relay 12VDC 3DC/5AAC SPST-NO( (20.5mm 7.2mm 15.3mm)) THT", Current-Rated=3A, Manufacture Part Number=G5NB-1A-E-DC12, Manufacturer="Omron Electronics", Supplier Part Number=C225714, Supplier=LCSC
K2: library part CMP-edc624afa9603201-3, "General Purpose Non Latching 12VDC SPST-NO 5A Through Hole Relays RoHS", Current-Rated=5A, Manufacture Part Number=HF46F/12-HS1, Manufacturer="HF(Xiamen Hongfa Electroacoustic)", Supplier Part Number=C3636, Supplier=LCSC
R1 R2 R3 R14 R17 R27 R28 R31: library part CMP-1853278-27, "Surface Mount Thick Film Resistor, RC Series, 1 kohm, 100 mW, - 1%, 50 V, 0603 [1608 Metric]", Manufacture Part Number=0603WAF1000T5E, Manufacturer="UNI-ROYAL(Uniroyal Elec)", Package / Case=0603, Resistance Tolerance=1%, Supplier Part Number=C22775, Resistance=100, Supplier=LCSC
R4: library part CMP-1853278-27, "Surface Mount Thick Film Resistor, RC Series, 1 kohm, 100 mW, - 1%, 50 V, 0603 [1608 Metric]", Manufacture Part Number=ERJPB3B2402V, Manufacturer=PANASONIC, Package / Case=0603, Resistance Tolerance=0.1%, Supplier Part Number=C413706, Resistance=24k, Supplier=LCSC
R5: library part CMP-1853278-27, "Surface Mount Thick Film Resistor, RC Series, 1 kohm, 100 mW, - 1%, 50 V, 0603 [1608 Metric]", Manufacture Part Number=ERJPB3B7502V, Manufacturer=PANASONIC, Package / Case=0603, Resistance Tolerance=0.1%, Supplier Part Number=C413688, Resistance=75k, Supplier=LCSC
R6: library part CMP-1853278-27, "Surface Mount Thick Film Resistor, RC Series, 1 kohm, 100 mW, - 1%, 50 V, 0603 [1608 Metric]", Manufacture Part Number=ERJPB3B1001V, Manufacturer=PANASONIC, Package / Case=0603, Resistance Tolerance=0.1%, Supplier Part Number=C193680, Resistance=1k, Supplier=LCSC
R7 R8 R15 R16 R21 R34 R35 R36 R37 R38 R39 R40 R41 R42: library part CMP-1853278-27, "Surface Mount Thick Film Resistor, RC Series, 1 kohm, 100 mW, - 1%, 50 V, 0603 [1608 Metric]", Manufacture Part Number=RC0603FR-074K7L, Manufacturer=YAGEO, Package / Case=0603, Resistance Tolerance=1%, Supplier Part Number=C99782, Resistance=4.7k, Supplier=LCSC
R9 R24: library part CMP-1853278-27, "Surface Mount Thick Film Resistor, RC Series, 1 kohm, 100 mW, - 1%, 50 V, 0603 [1608 Metric]", Manufacture Part Number=WF06Q1002BTL, Manufacturer="Walsin Tech Corp", Package / Case=0603, Resistance Tolerance=0.1%, Supplier Part Number=C305259, Resistance=10k, Supplier=LCSC
R10: library part CMP-f2923ac3d6042d55-1, "Res Thin Film 0805 4.99 Ohm 0.1% 1/8W ±15ppm/°C Molded SMD SMD Paper T/R", Manufacture Part Number=MCWF08U20R0BTL, Manufacturer=Multicomp, Package / Case=0805, Resistance Tolerance=0.1%, Supplier Part Number=C241306, Resistance=20, Supplier=LCSC
R12 R43: library part CMP-90ca5a8d69034f0d-5, "Res Thick Film 3.2 x 1.6 mm 10K Ohm 1% 0.25W(1/4W) 100ppm/ C Molded SMD Paper T/R", Manufacture Part Number=PE1206FKE470R01Z, Manufacturer=YAGEO, Package / Case=1206, Resistance Tolerance=1%, Supplier Part Number=C364375, Resistance=0.01, Supplier=LCSC
R13: library part CMP-90ca5a8d69034f0d-5, "Res Thick Film 3.2 x 1.6 mm 10K Ohm 1% 0.25W(1/4W) 100ppm/ C Molded SMD Paper T/R", Manufacture Part Number=MA120610FR001SZ, Manufacturer="Ever Ohms Tech", Package / Case=1206, Resistance Tolerance=1%, Supplier Part Number=C429334, Resistance=0.001, Supplier=LCSC
R18 R32: library part CMP-1853278-27, "Surface Mount Thick Film Resistor, RC Series, 1 kohm, 100 mW, - 1%, 50 V, 0603 [1608 Metric]", Manufacturer=YAGEO, Manufacturer Part Number=RC0603FR-0710KL, Package / Case=0603, Resistance Tolerance=1%, Supplier Part Number=C98220, Resistance=10k, Supplier=LCSC
R19 R20 R25 R26: library part CMP-1853278-27, "Surface Mount Thick Film Resistor, RC Series, 1 kohm, 100 mW, - 1%, 50 V, 0603 [1608 Metric]", Manufacture Part Number=ERJPB3B5102V, Manufacturer=PANASONIC, Package / Case=0603, Resistance Tolerance=0.1%, Supplier Part Number=C413694, Resistance=51k, Supplier=LCSC
R22: library part CMP-1853278-27, "Surface Mount Thick Film Resistor, RC Series, 1 kohm, 100 mW, - 1%, 50 V, 0603 [1608 Metric]", Manufacturer=PANASONIC, Manufacturer Part Number=ERJPB3B1001V, Package / Case=0603, Resistance Tolerance=0.1%, Supplier Part Number=C193680, Resistance=1k, Supplier=LCSC
R23: library part CMP-1853278-27, "Surface Mount Thick Film Resistor, RC Series, 1 kohm, 100 mW, - 1%, 50 V, 0603 [1608 Metric]", Manufacture Part Number=ERA3AEB3922V, Manufacturer=PANASONIC, Package / Case=0603, Resistance Tolerance=0.1%, Supplier Part Number=C491129, Resistance=39.2k, Supplier=LCSC
R29 R30 R33: library part CMP-1853278-27, "Surface Mount Thick Film Resistor, RC Series, 1 kohm, 100 mW, - 1%, 50 V, 0603 [1608 Metric]", Manufacture Part Number=0603WAF4222T5E, Manufacturer="UNI-ROYAL(Uniroyal Elec)", Package / Case=0603, Resistance Tolerance=1%, Supplier Part Number=C23167, Resistance=42k, Supplier=LCSC
U1: library part CMP-250bee9e4f44facc-2, "OP Amp Single GP R-R O/P 5.5V 6-Pin SOT-23 T/R", Manufacturer="Maxim Integrated", Bandwidth="6.50 MHz", Lifecycle Status="Not Listed by Manufacturer", Manufacture Part Number=MAX4239AUT+T, Number of Pins=6, OctopartID=250bee9e4f44facc, Octopart URL=http://octopart.com/max4239aut%2Bt-maxim+integrated-43994921, Packaging="Cut Tape (CT)", RoHS=Compliant, Slew Rate="1.60 V/µs", Supplier=utsource
U2 U4: library part CMP-19361522-7, "Quad Channel Single ADC Delta-Sigma 860sps 16-bit Serial 10-Pin VSSOP T/R", Manufacture Part Number=ADS1115IDGST, Manufacturer="Texas Instruments", Power Consumption="360 µW", Supply Voltage (DC)="5.50 V (max), 2.00 V (min)", Number of Bits=16, Number of Pins=10, OctopartID=7248bbf0cbd1ad8f, Packaging="Tape & Reel (TR), Reel, Cut Tape (CT)", Supplier=utsource
U3: library part CMP-4359179-9, "Low-Power, Bidirectional I2C Isolators 8-SOIC -40 to 125", Case/Package=SOIC, Manufacture Part Number=ISO1541DR, Manufacturer="Texas Instruments", Supplier Part Number=C143028, Supply Voltage (DC)="3 to 5.5 V", Data Rate="1000000.0 bps", Lead-Free Status="Lead Free", Lifecycle Status=Active, Number of Channels=2, Number of Pins=8, OctopartID=6027a85e0a62bfe0, Octopart URL=http://octopart.com/iso1541dr-texas+instruments-24334115, RoHS=Compliant, Supplier=LCSC
U5: library part LM4040CEM3-2.5/NOPB, "Precision Micropower Shunt Voltage Reference, 3-pin SOT-23, Pb-Free", Manufacture Part Number=LM4040D25FTA, Manufacturer="Diodes Incorporated", Output Current="0.015 A", Output Voltage="2.5 V", Supplier Part Number=C107244, Lead-Free Status="Lead Free", Lifecycle Status=Active, Mounting Style="Surface Mount", Number of Pins=3, OctopartID=26c2eeb2a10af905, Octopart URL=https://octopart.com/lm4040cem3-2.5%2Fnopb-texas+instruments-24814254, Packaging="Tape & Reel (TR)", REACH SVHC Compliance="No SVHC", RoHS=Compliant, Supplier=LCSC
U6: library part CMP-9a3c516d515145fb-3, "General Purpose 2 4.5V ~ 36V, ±2.25V ~ 18V 10MHz 10 V/us SOIC-8_150mil General Purpose Amplifiers RoHS", Case/Package=SOIC, Manufacturer="Texas Instruments", Supplier Part Number=C129149, Supply Current="700 µA", Supply Voltage (DC)="32.0 V", Bandwidth="1.10 MHz", Gain Bandwidth Product="1.10 MHz", Lead-Free Status="Lead Free", Lifecycle Status=Active, Manufacture Part Number=TLV2172IDR, Mounting Style="Surface Mount", Number of Channels=2, Number of Circuits=2, Number of Pins=8, OctopartID=9a3c516d515145fb, Octopart URL=https://octopart.com/lm358dt-stmicroelectronics-39579147, Packaging="Cut Tape (CT), Tape & Reel (TR)", REACH SVHC Compliance="No SVHC", RoHS=Compliant, Slew Rate="600 mV/µs", Supplier=LCSC
U7: library part CMP-9a3c516d515145fb-3, "LM358 Series 30 V 1.1 MHz Low Power Dual Operational Amplifier - SOIC-8", Case/Package=SOIC, Manufacturer=STMicroelectronics, Supplier Part Number=C9418, Supply Current="700 µA", Supply Voltage (DC)="32.0 V", Bandwidth="1.10 MHz", Gain Bandwidth Product="1.10 MHz", Lead-Free Status="Lead Free", Lifecycle Status=Active, Manufacture Part Number=LM358DT, Mounting Style="Surface Mount", Number of Channels=2, Number of Circuits=2, Number of Pins=8, OctopartID=9a3c516d515145fb, Octopart URL=https://octopart.com/lm358dt-stmicroelectronics-39579147, Packaging="Cut Tape (CT), Tape & Reel (TR)", REACH SVHC Compliance="No SVHC", RoHS=Compliant, Slew Rate="600 mV/µs", Supplier=LCSC
U8: library part LM337LZ/NOPB, "3-Terminal Adjustable Regulator, 3-pin TO-92, Pb-Free", Case/Package=SOIC, Current Rating="1.0 A", Dropout Voltage="0.003 V", Manufacturer="Texas Instruments", Output Current="0.1 A", Supplier Part Number=C33082, Lead-Free Status="Lead Free", Lifecycle Status=Active, Manufacture Part Number=LM337LZ/NOPB, Mounting Style="Through Hole", Number of Outputs=1, Number of Pins=3, Number of Regulated Outputs=1, OctopartID=cd28055848e712ef, Octopart URL=https://octopart.com/lm337lz%2Fnopb-texas+instruments-24813737, Packaging=Box, REACH SVHC Compliance="No SVHC", RoHS=Compliant, Supplier=LCSC
U9: library part CMP-6ce4a4361dffb323-1, "LDO voltage regulator [Diodes Incorporated] AP2204K-5.0TRG1 LDO voltage regulator", Manufacture Part Number=AP2204K-ADJTRG1, Manufacturer="Diodes Incorporated", Package=SOT-23-5, Supplier Part Number=C264072, Lead-Free Status="Lead Free", Mounting Style="Surface Mount", Supplier=LCSC
U10 U13: library part CMP-15095235-4, "IC REG LDO 3.3V 0.8A SOT223", Manufacture Part Number=AZ1117CH-3.3TRG1, Manufacturer="Diodes Incorporated", Supplier Part Number=C92102, Lead-Free Status="Lead Free", Lifecycle Status="Not Listed by Manufacturer", OctopartID=a6d46e06d6807913, Octopart URL=https://octopart.com/az1117ch-3.3trg1-diodes+inc.-30954802, RoHS=Compliant, Supplier=LCSC
U11: library part CMP-1330714-2, "Single Low-Voltage, Rail-to-Rail Operational Amplifier, 2.7 to 5.5 V, -40 to 85 degC, 5-Pin TSOP, Pb-Free, Tape and Reel", Manufacture Part Number=LMV321-TR, Manufacturer=Gainsil, Supplier Part Number=C362273, Lead-Free Status="Lead Free", Lifecycle Status=Active, RoHS=Compliant, Supplier=LCSC
U12: library part CMP-19353911-22, "Bipolar (BJT) Array Transistor, Darlington, NPN, 50 V, 500 mA, SOIC", Manufacture Part Number=ULN2803A, Manufacturer=Mixic, Package / Case=SOP-18_300mil, Supplier Part Number=C107219, Supplier=LCSC

## Free pads (board coordinates)
  round 157.48 hole 118.11: 1(118.11,-866.14) 2(3818.9,-866.14) 3(3818.9,-3818.9) 4(118.11,-3818.9)

## Via types
v1: diameter 23.62, hole 11.81, Top Layer to Bottom Layer, 53 vias
v2: diameter 31.5, hole 15.75, Top Layer to Bottom Layer, 26 vias
v3: diameter 110.24, hole 70.87, Top Layer to Bottom Layer, 10 vias

## Nets (pads, with @x,y where several pads share a name; then routed paths per layer and width w, separated by ;. In a path a pad name is that pad's centre, name@x,y a point inside that pad or via, vN(x,y) a via of type N, cw(c..) or ccw(c..) an arc to the next point about the centre after c; other vN are vias at no path point)
0-4_RANGE: D3.1 D4.2 R17.2 R21.1 TP2.1 U6.6 | length 1057.8
  Top Layer w12: TP2.1@3262,-1390 3260.21,-1388.21 3132.79,-1388.21 R17.2@3131,-1386.43 3131,-1352 3198,-1285 3284,-1285 3321,-1248 3321,-1133 3337.53,-1116.47 ; R21.1@3348.57,-913 3350,-914.43 3350,-965 3320,-995 3320,-1101 3335.47,-1116.47 3337.53,-1116.47 ; D4.2@3566,-1048.28 3565.5,-1048.78 3565.5,-1113.22 D3.1@3565,-1113.72 3562.26,-1116.47 U6.6@3408.57,-1116.47 3337.53,-1116.47
2.5V_REF: R18.1 R19.1 TP5.1 U5.1 | length 324.9
  Top Layer w12: R18.1@2080.15,-1352 2164,-1352 2164,-1414 2150,-1428 2189,-1428 TP5.1@2274,-1513
5ISO+: C3.1 C4.1 C8.2 C18.2 J10.1 R7.1 R8.1 R40.2 U2.8 U3.8 U10.3 | length 3138.6
  Top Layer w12: v1(2607,-1711) 2654.87,-1711 R8.1@2675.3,-1731.43 2675.96,-1732.09 2745.9,-1732.09 R7.1@2746.56,-1732.75 ; U2.8@2662.03,-1911.03 U2.8@2672.61,-1911.03 2761.03,-1911.03 v1(2764.02,-1914.02)
  Top Layer w20: R40.2@2271,-2835 v1(2299.43,-2835) ; U10.3@2275,-2535.45 2342.87,-2535.45 2370.32,-2508 C18.2@2379.32,-2508 2379.32,-2455.3 2378,-2453.98 v1(2378,-2453) 2378,-2383 2405.32,-2355.68 U3.8@2475.72,-2355.68 2492.45,-2355.68 2513.57,-2376.81 C8.2@2513.57,-2439
  Top Layer w25: v2(2276,-3345) 2308.6,-3377.6 J10.1@2824.72,-3377.6
  Bottom Layer w12: v1(2607,-1711) 2607.57,-1711.57 C3.1@2607.57,-1761.25 C4.1@2607.57,-1820.25
  Bottom Layer w20: 2275,-2835 v1(2299.43,-2835) ; v1(2378,-2453) 2437.33,-2393.67 2437.33,-2172.42 2607.57,-2002.18 2607.57,-1932 ; C4.1@2607.57,-1820.25 2607.57,-1932 ; v1(2764.02,-1914.02) 2625.56,-1914.02 2607.57,-1932
  Bottom Layer w25: v2(2275,-2534) 2275,-2835 2275,-3129 2276,-3130 v2(2276,-3345)
5ISO-: C2.1 C3.2 C4.2 C5.1 C8.1 C16.1 C18.1 C20.2 D2.2 J10.2 R33.1 U1.2 U2.1 U2.3 U3.5 U10.1 U11.2 | length 4727.3
  Top Layer w12: v1(2499,-1818) 2499.39,-1818.39 U2.1@2499.39,-1871.66 2539.97,-1871.66 2547,-1878.69 2547,-1903 2539.06,-1910.94 2499.48,-1910.94 U2.3@2499.39,-1911.03
  Top Layer w20: v2(2142,-2711) 2142.69,-2711.69 2243.63,-2711.69 U10.1@2248.49,-2716.55 2362.37,-2716.55 2374.35,-2704.57 C16.1@2376.32,-2704.57 2416.28,-2704.57 2428,-2692.86 2428,-2609 2417,-2598 2389.32,-2598 C18.1@2379.32,-2588 2437,-2588 2460.43,-2564.57 C8.1@2460.43,-2439 ; v1(2152.44,-2318.24) 2146.38,-2312.18 2146.38,-2274.78 U11.2@2142.6,-2271 2142.6,-2221.31 2119.14,-2197.86 2119.14,-2173.72 R33.1@2111.43,-2166 2119.14,-2158.28 2119.14,-2131.86 2141,-2110 2248,-2110 2298,-2160 v1(2341,-2160) ; U1.2@2242.57,-1860.85 2245.36,-1858.06 2245.36,-1824.56 v1(2278.92,-1791) ; v1(2340,-2205.68) U3.5@2475.72,-2205.68
  Top Layer w25: D2.2@2012,-2834.75 2014,-2834.75 2038.68,-2810.07 2038.68,-2807.91 2049.84,-2796.75 2056.25,-2796.75 v2(2142,-2711) ; v2(2142,-3346) 2270,-3474 2986,-3474 2986,-3378.95 J10.2@2987.35,-3377.6
  Bottom Layer w12: C4.2@2554.42,-1820.25 C3.2@2554.42,-1761.25
  Bottom Layer w20: v2(2142,-2711) 2142,-2566 2340,-2368 v1(2340,-2205.68) 2340,-2063 2394,-2009 2394,-1906 ; v1(2278.92,-1791) 2324.28,-1791 2336,-1802.72 2336,-1886.43 C2.1@2337,-1887.43 2375.43,-1887.43 2394,-1906 ; C4.2@2554.42,-1820.25 2554.17,-1820 2452,-1820 2394,-1878 2394,-1906
  Bottom Layer w25: v2(2142,-3346) v2(2142,-2711) ; J10.2@2981,-3383.95 J10.2@2987.35,-3377.6
+3.3V: C7.2 C21.2 R15.1 R16.1 U3.1 U13.2 U13.4 | length 2544.5
  Top Layer w20: C7.2@2652.43,-2439 2652.43,-2376.81 2673.55,-2355.68 U3.1@2690.28,-2355.68 2822.32,-2355.68 2986,-2192 2986,-2016.14 U13.4@2990.83,-2011.31
  Top Layer w30: U13.4@2990.83,-2011.31 3105,-2011.31 ; v1(3105,-1968) 3105,-2011.31 ; C21.2@3357,-2043.43 3278.84,-2043.43 3246.73,-2011.31 U13.2@3219.17,-2011.31 3105,-2011.31 ; v1(3370,-1333) R16.1@3370,-1389.43 3370.5,-1389.93 3443.5,-1389.93 R15.1@3444,-1390.43
  Bottom Layer w30: v1(3105,-1968) 3129,-1944 3517,-1944 3677,-1784 3677,-1453 3557,-1333 v1(3370,-1333)